# EAGLE board Mk4 Final a Panel score (EAGLE 9.0.1), part 18 of 24 (continued)
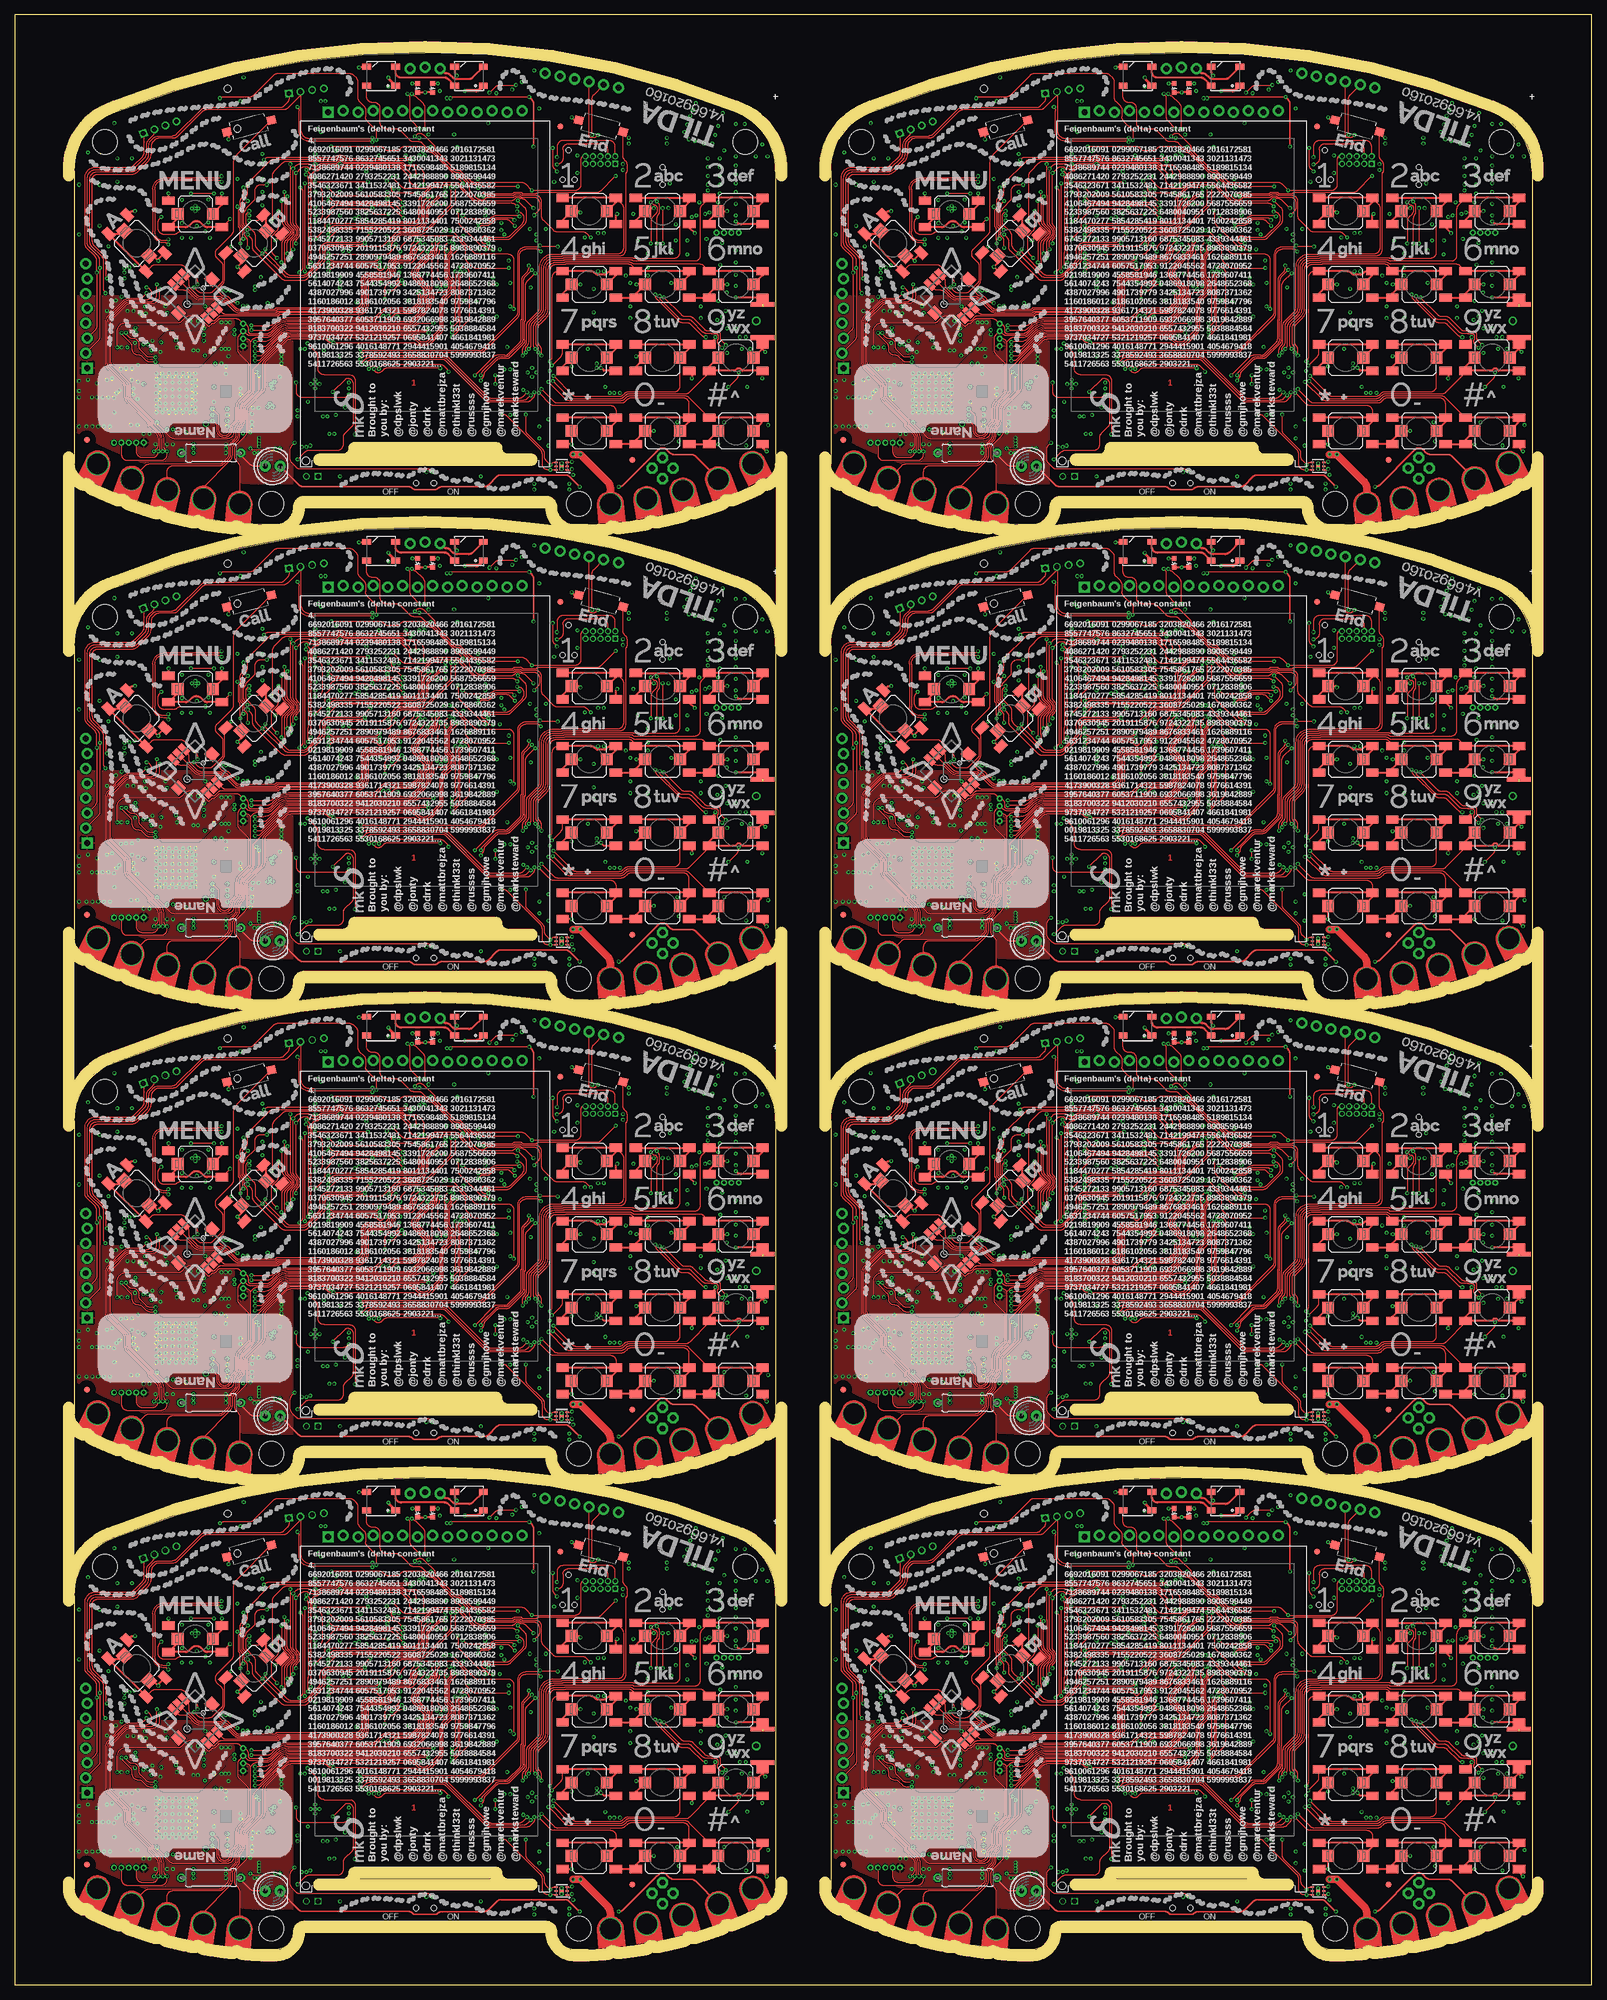
[diagram p0: board, top side]
## Tracks (layer width: path | path; a pad name or v marks a point on that pad's centre or on a via) (continued)
SIM_DET1
  Bottom 0.2: IC21.14 236.2,41 arc90 237.2,40 244.09,40 arc-45 244.79,39.71 245.71,38.79 arc-45 246,38.09 R111.2 246,34.41 arc45 246.29,33.71 247.65,32.35 arc45 248.35,32.06 J14.C8
SIM_DET2
  Bottom 0.2: IC39.14 107.2,122 arc90 108.2,121 115.09,121 arc-45 115.79,120.71 116.71,119.79 arc-45 117,119.09 R189.2 117,115.41 arc45 117.29,114.71 118.65,113.35 arc45 119.35,113.06 J24.C8
SIM_DET3
  Bottom 0.2: IC57.14 236.2,122 arc90 237.2,121 244.09,121 arc-45 244.79,120.71 245.71,119.79 arc-45 246,119.09 R267.2 246,115.41 arc45 246.29,114.71 247.65,113.35 arc45 248.35,113.06 J34.C8
SIM_DET4
  Bottom 0.2: IC75.14 107.2,203 arc90 108.2,202 115.09,202 arc-45 115.79,201.71 116.71,200.79 arc-45 117,200.09 R345.2 117,196.41 arc45 117.29,195.71 118.65,194.35 arc45 119.35,194.06 J44.C8
SIM_DET5
  Bottom 0.2: IC93.14 236.2,203 arc90 237.2,202 244.09,202 arc-45 244.79,201.71 245.71,200.79 arc-45 246,200.09 R423.2 246,196.41 arc45 246.29,195.71 247.65,194.35 arc45 248.35,194.06 J54.C8
SIM_DET6
  Bottom 0.2: IC111.14 107.2,284 arc90 108.2,283 115.09,283 arc-45 115.79,282.71 116.71,281.79 arc-45 117,281.09 R501.2 117,277.41 arc45 117.29,276.71 118.65,275.35 arc45 119.35,275.06 J64.C8
SIM_DET7
  Bottom 0.2: IC129.14 236.2,284 arc90 237.2,283 244.09,283 arc-45 244.79,282.71 245.71,281.79 arc-45 246,281.09 R579.2 246,277.41 arc45 246.29,276.71 247.65,275.35 arc45 248.35,275.06 J74.C8
SIM_DTR
  Bottom 0.2: R31.1 98.25,47.25 TP2.TP
SIM_DTR1
  Bottom 0.2: R113.1 227.25,47.25 TP21.TP
SIM_DTR2
  Bottom 0.2: R191.1 98.25,128.25 TP40.TP
SIM_DTR3
  Bottom 0.2: R269.1 227.25,128.25 TP59.TP
SIM_DTR4
  Bottom 0.2: R347.1 98.25,209.25 TP78.TP
SIM_DTR5
  Bottom 0.2: R425.1 227.25,209.25 TP97.TP
SIM_DTR6
  Bottom 0.2: R503.1 98.25,290.25 TP116.TP
SIM_DTR7
  Bottom 0.2: R581.1 227.25,290.25 TP135.TP
SIM_DTR_R
  Bottom 0.15: R31.2 R40.1 100.7,46.45 IC5.6
SIM_DTR_R1
  Bottom 0.15: R113.2 R122.1 229.7,46.45 IC21.6
SIM_DTR_R2
  Bottom 0.15: R191.2 R200.1 100.7,127.45 IC39.6
SIM_DTR_R3
  Bottom 0.15: R269.2 R278.1 229.7,127.45 IC57.6
SIM_DTR_R4
  Bottom 0.15: R347.2 R356.1 100.7,208.45 IC75.6
SIM_DTR_R5
  Bottom 0.15: R425.2 R434.1 229.7,208.45 IC93.6
SIM_DTR_R6
  Bottom 0.15: R503.2 R512.1 100.7,289.45 IC111.6
SIM_DTR_R7
  Bottom 0.15: R581.2 R590.1 229.7,289.45 IC129.6
SIM_NETLIGHT
  Bottom 0.15: IC1.108 78.56,60.8 arc45 78.8,60.9 79.22,60.9 79.32,61 81.67,61 arc-90 84.17,58.5 84.17,56.62 arc45 84.32,56.27 84.48,56.11 arc-45 84.62,55.76 84.62,55.5 arc45 84.92,54.79 93.91,45.8 arc-45 94.2,45.09 94.2,37.75 arc90 95.2,36.75 TP12.TP 97,37.25 R42.1
SIM_NETLIGHT1
  Bottom 0.15: IC20.108 207.56,60.8 arc45 207.8,60.9 208.22,60.9 208.32,61 210.68,61 arc-90 213.18,58.5 213.18,56.62 arc45 213.32,56.27 213.48,56.11 arc-45 213.62,55.76 213.62,55.5 arc45 213.92,54.79 222.91,45.8 arc-45 223.2,45.09 223.2,37.75 arc90 224.2,36.75 TP31.TP 226,37.25 R124.1
SIM_NETLIGHT2
  Bottom 0.15: IC38.108 78.56,141.8 arc45 78.8,141.9 79.22,141.9 79.32,142 81.67,142 arc-90 84.17,139.5 84.17,137.62 arc45 84.32,137.27 84.48,137.11 arc-45 84.62,136.76 84.62,136.5 arc45 84.92,135.79 93.91,126.8 arc-45 94.2,126.09 94.2,118.75 arc90 95.2,117.75 TP50.TP 97,118.25 R202.1
SIM_NETLIGHT3
  Bottom 0.15: IC56.108 207.56,141.8 arc45 207.8,141.9 208.22,141.9 208.32,142 210.68,142 arc-90 213.18,139.5 213.18,137.62 arc45 213.32,137.27 213.48,137.11 arc-45 213.62,136.76 213.62,136.5 arc45 213.92,135.79 222.91,126.8 arc-45 223.2,126.09 223.2,118.75 arc90 224.2,117.75 TP69.TP 226,118.25 R280.1
SIM_NETLIGHT4
  Bottom 0.15: IC74.108 78.56,222.8 arc45 78.8,222.9 79.22,222.9 79.32,223 81.67,223 arc-90 84.17,220.5 84.17,218.62 arc45 84.32,218.27 84.48,218.11 arc-45 84.62,217.76 84.62,217.5 arc45 84.92,216.79 93.91,207.8 arc-45 94.2,207.09 94.2,199.75 arc90 95.2,198.75 TP88.TP 97,199.25 R358.1
SIM_NETLIGHT5
  Bottom 0.15: IC92.108 207.56,222.8 arc45 207.8,222.9 208.22,222.9 208.32,223 210.68,223 arc-90 213.18,220.5 213.18,218.62 arc45 213.32,218.27 213.48,218.11 arc-45 213.62,217.76 213.62,217.5 arc45 213.92,216.79 222.91,207.8 arc-45 223.2,207.09 223.2,199.75 arc90 224.2,198.75 TP107.TP 226,199.25 R436.1
SIM_NETLIGHT6
  Bottom 0.15: IC110.108 78.56,303.8 arc45 78.8,303.9 79.22,303.9 79.32,304 81.67,304 arc-90 84.17,301.5 84.17,299.62 arc45 84.32,299.27 84.48,299.11 arc-45 84.62,298.76 84.62,298.5 arc45 84.92,297.79 93.91,288.8 arc-45 94.2,288.1 94.2,280.75 arc90 95.2,279.75 TP126.TP 97,280.25 R514.1
SIM_NETLIGHT7
  Bottom 0.15: IC128.108 207.56,303.8 arc45 207.8,303.9 208.22,303.9 208.32,304 210.68,304 arc-90 213.18,301.5 213.18,299.62 arc45 213.32,299.27 213.48,299.11 arc-45 213.62,298.76 213.62,298.5 arc45 213.92,297.79 222.91,288.8 arc-45 223.2,288.1 223.2,280.75 arc90 224.2,279.75 TP145.TP 226,280.25 R592.1
SIM_PWR_KEY
  Bottom 0.15: Q1.1 99.42,35 R30.1 TP13.TP 94.9,35 arc-90 93.9,36 93.9,44.97 arc45 93.61,45.68 84.62,54.67 arc-45 84.33,55.38 84.33,55.63 arc45 84.18,55.99 84.02,56.15 arc-45 83.88,56.5 83.88,58.45 arc90 81.62,60.7 79.45,60.7 79.38,60.63 arc-45 79.31,60.6 79.04,60.6 arc45 78.97,60.57 78.83,60.43 arc-45 78.76,60.4 IC1.109
SIM_PWR_KEY1
  Bottom 0.15: Q6.1 228.43,35 R112.1 TP32.TP 223.9,35 arc-90 222.9,36 222.9,44.97 arc45 222.61,45.68 213.62,54.67 arc-45 213.32,55.38 213.32,55.63 arc45 213.18,55.99 213.02,56.15 arc-45 212.88,56.5 212.88,58.45 arc90 210.62,60.7 208.45,60.7 208.38,60.63 arc-45 208.31,60.6 208.04,60.6 arc45 207.97,60.57 207.83,60.43 arc-45 207.76,60.4 IC20.109
SIM_PWR_KEY2
  Bottom 0.15: Q11.1 99.42,116 R190.1 TP51.TP 94.9,116 arc-90 93.9,117 93.9,125.97 arc45 93.61,126.68 84.62,135.67 arc-45 84.33,136.38 84.33,136.63 arc45 84.18,136.99 84.02,137.15 arc-45 83.88,137.5 83.88,139.45 arc90 81.62,141.7 79.45,141.7 79.38,141.63 arc-45 79.31,141.6 79.04,141.6 arc45 78.97,141.57 78.83,141.43 arc-45 78.76,141.4 IC38.109
SIM_PWR_KEY3
  Bottom 0.15: Q15.1 228.43,116 R268.1 TP70.TP 223.9,116 arc-90 222.9,117 222.9,125.97 arc45 222.61,126.68 213.62,135.67 arc-45 213.32,136.38 213.32,136.63 arc45 213.18,136.99 213.02,137.15 arc-45 212.88,137.5 212.88,139.45 arc90 210.62,141.7 208.45,141.7 208.38,141.63 arc-45 208.31,141.6 208.04,141.6 arc45 207.97,141.57 207.83,141.43 arc-45 207.76,141.4 IC56.109
SIM_PWR_KEY4
  Bottom 0.15: Q19.1 99.42,197 R346.1 TP89.TP 94.9,197 arc-90 93.9,198 93.9,206.97 arc45 93.61,207.68 84.62,216.67 arc-45 84.33,217.38 84.33,217.63 arc45 84.18,217.99 84.02,218.15 arc-45 83.88,218.5 83.88,220.45 arc90 81.62,222.7 79.45,222.7 79.38,222.63 arc-45 79.31,222.6 79.04,222.6 arc45 78.97,222.57 78.83,222.43 arc-45 78.76,222.4 IC74.109
SIM_PWR_KEY5
  Bottom 0.15: Q23.1 228.43,197 R424.1 TP108.TP 223.9,197 arc-90 222.9,198 222.9,206.97 arc45 222.61,207.68 213.62,216.67 arc-45 213.32,217.38 213.32,217.63 arc45 213.18,217.99 213.02,218.15 arc-45 212.88,218.5 212.88,220.45 arc90 210.62,222.7 208.45,222.7 208.38,222.63 arc-45 208.31,222.6 208.04,222.6 arc45 207.97,222.57 207.83,222.43 arc-45 207.76,222.4 IC92.109
SIM_PWR_KEY6
  Bottom 0.15: Q27.1 99.42,278 R502.1 TP127.TP 94.9,278 arc-90 93.9,279 93.9,287.97 arc45 93.61,288.68 84.62,297.67 arc-45 84.33,298.38 84.33,298.63 arc45 84.18,298.99 84.02,299.14 arc-45 83.88,299.5 83.88,301.45 arc90 81.62,303.7 79.45,303.7 79.38,303.63 arc-45 79.31,303.6 79.04,303.6 arc45 78.97,303.57 78.83,303.43 arc-45 78.76,303.4 IC110.109
SIM_PWR_KEY7
  Bottom 0.15: Q31.1 228.43,278 R580.1 TP146.TP 223.9,278 arc-90 222.9,279 222.9,287.97 arc45 222.61,288.68 213.62,297.67 arc-45 213.32,298.38 213.32,298.63 arc45 213.18,298.99 213.02,299.14 arc-45 212.88,299.5 212.88,301.45 arc90 210.62,303.7 208.45,303.7 208.38,303.63 arc-45 208.31,303.6 208.04,303.6 arc45 207.97,303.57 207.83,303.43 arc-45 207.76,303.4 IC128.109
SIM_RI  (via drill 0.3)
  Top 0.15: v76.4,58.8 76.81,58.39 arc45 77.51,58.1 80.77,58.1 arc45 81.16,58.26 arc-45 82.22,58.7 85.86,58.7 arc-45 v86.1,58.6
  Bottom 0.15: 98.72,48.5 98.97,48.25 R32.1 99,48.25 TP10.TP 92.16,49.25 86.39,55.01 arc-45 86.1,55.72 v86.1,58.6 | IC1.112 77.21,59.2 arc45 76.51,58.91 v76.4,58.8
SIM_RI1  (via drill 0.3)
  Top 0.15: v205.4,58.8 205.81,58.39 arc45 206.51,58.1 209.77,58.1 arc45 210.16,58.26 arc-45 211.22,58.7 214.86,58.7 arc-45 v215.1,58.6
  Bottom 0.15: 227.72,48.5 227.97,48.25 R115.1 228,48.25 TP29.TP 221.16,49.25 215.39,55.01 arc-45 215.1,55.72 v215.1,58.6 | IC20.112 206.21,59.2 arc45 205.51,58.91 v205.4,58.8
SIM_RI2  (via drill 0.3)
  Top 0.15: v76.4,139.8 76.81,139.39 arc45 77.51,139.1 80.77,139.1 arc45 81.16,139.26 arc-45 82.22,139.7 85.86,139.7 arc-45 v86.1,139.6
  Bottom 0.15: 98.72,129.5 98.97,129.25 R193.1 99,129.25 TP48.TP 92.16,130.25 86.39,136.01 arc-45 86.1,136.72 v86.1,139.6 | IC38.112 77.21,140.2 arc45 76.51,139.91 v76.4,139.8
SIM_RI3  (via drill 0.3)
  Top 0.15: v205.4,139.8 205.81,139.39 arc45 206.51,139.1 209.77,139.1 arc45 210.16,139.26 arc-45 211.22,139.7 214.86,139.7 arc-45 v215.1,139.6
  Bottom 0.15: 227.72,129.5 227.97,129.25 R271.1 228,129.25 TP67.TP 221.16,130.25 215.39,136.01 arc-45 215.1,136.72 v215.1,139.6 | IC56.112 206.21,140.2 arc45 205.51,139.91 v205.4,139.8
SIM_RI4  (via drill 0.3)
  Top 0.15: v76.4,220.8 76.81,220.39 arc45 77.51,220.1 80.77,220.1 arc45 81.16,220.26 arc-45 82.22,220.7 85.86,220.7 arc-45 v86.1,220.6
  Bottom 0.15: 98.72,210.5 98.97,210.25 R349.1 99,210.25 TP86.TP 92.16,211.25 86.39,217.01 arc-45 86.1,217.72 v86.1,220.6 | IC74.112 77.21,221.2 arc45 76.51,220.91 v76.4,220.8
SIM_RI5  (via drill 0.3)
  Top 0.15: v205.4,220.8 205.81,220.39 arc45 206.51,220.1 209.77,220.1 arc45 210.16,220.26 arc-45 211.22,220.7 214.86,220.7 arc-45 v215.1,220.6
  Bottom 0.15: 227.72,210.5 227.97,210.25 R427.1 228,210.25 TP105.TP 221.16,211.25 215.39,217.01 arc-45 215.1,217.72 v215.1,220.6 | IC92.112 206.21,221.2 arc45 205.51,220.91 v205.4,220.8
SIM_RI6  (via drill 0.3)
  Top 0.15: v76.4,301.8 76.81,301.39 arc45 77.51,301.1 80.77,301.1 arc45 81.16,301.26 arc-45 82.22,301.7 85.86,301.7 arc-45 v86.1,301.6
  Bottom 0.15: 98.72,291.5 98.97,291.25 R505.1 99,291.25 TP124.TP 92.16,292.25 86.39,298.01 arc-45 86.1,298.72 v86.1,301.6 | IC110.112 77.21,302.2 arc45 76.51,301.91 v76.4,301.8
SIM_RI7  (via drill 0.3)
  Top 0.15: v205.4,301.8 205.81,301.39 arc45 206.51,301.1 209.77,301.1 arc45 210.16,301.26 arc-45 211.22,301.7 214.86,301.7 arc-45 v215.1,301.6
  Bottom 0.15: 227.72,291.5 227.97,291.25 R583.1 228,291.25 TP143.TP 221.16,292.25 215.39,298.01 arc-45 215.1,298.72 v215.1,301.6 | IC128.112 206.21,302.2 arc45 205.51,301.91 v205.4,301.8
SIM_RI_R
  Bottom 0.15: IC5.7 101.2,47.55 R32.2
SIM_RI_R1
  Bottom 0.15: IC21.7 230.2,47.55 R115.2
SIM_RI_R2
  Bottom 0.15: IC39.7 101.2,128.55 R193.2
SIM_RI_R3
  Bottom 0.15: IC57.7 230.2,128.55 R271.2
SIM_RI_R4
  Bottom 0.15: IC75.7 101.2,209.55 R349.2
SIM_RI_R5
  Bottom 0.15: IC93.7 230.2,209.55 R427.2
SIM_RI_R6
  Bottom 0.15: IC111.7 101.2,290.55 R505.2
SIM_RI_R7
  Bottom 0.15: IC129.7 230.2,290.55 R583.2
SIM_RST  (via drill 0.3)
  Top 0.2: v109.25,45.25 109.25,45.06 arc45 109.47,44.53 113.21,40.79 arc45 113.91,40.5 114.59,40.5 arc-45 115.29,40.21 117.22,38.28 arc45 v117.9,38 | v110.5,60 v110.5,54
  Bottom 0.2: J1.C2 126,26.98 125.98,27 123.41,27 arc-45 122.71,27.29 arc-45 122.5,27.79 122.5,29.59 arc45 122.21,30.29 122.04,30.46 arc-45 121.75,31.16 121.75,32.25 arc90 121.25,32.75 120.96,32.75 arc-45 120.6,32.9 118.11,35.39 arc-45 117.9,35.9 | v109.25,45.25 109.25,45.94 arc-45 109.47,46.47 109.53,46.53 arc45 109.75,47.06 109.75,52.84 arc-45 110.04,53.54 v110.5,54 | R28.2 v110.5,60 | 117.9,35.9 v117.9,38 | IC10.4 117.9,35.9
SIM_RST1  (via drill 0.3)
  Top 0.2: v238.25,45.25 238.25,45.06 arc45 238.47,44.53 242.21,40.79 arc45 242.91,40.5 243.59,40.5 arc-45 244.29,40.21 246.22,38.28 arc45 v246.9,38 | v239.5,60 v239.5,54
  Bottom 0.2: J14.C2 255,26.98 254.98,27 252.41,27 arc-45 251.71,27.29 arc-45 251.5,27.79 251.5,29.59 arc45 251.21,30.29 251.04,30.46 arc-45 250.75,31.16 250.75,32.25 arc90 250.25,32.75 249.96,32.75 arc-45 249.6,32.9 247.11,35.39 arc-45 246.9,35.9 | v238.25,45.25 238.25,45.94 arc-45 238.47,46.47 238.53,46.53 arc45 238.75,47.06 238.75,52.84 arc-45 239.04,53.54 v239.5,54 | R110.2 v239.5,60 | 246.9,35.9 v246.9,38 | IC25.4 246.9,35.9
SIM_RST2  (via drill 0.3)
  Top 0.2: v109.25,126.25 109.25,126.06 arc45 109.47,125.53 113.21,121.79 arc45 113.91,121.5 114.59,121.5 arc-45 115.29,121.21 117.22,119.28 arc45 v117.9,119 | v110.5,141 v110.5,135
  Bottom 0.2: J24.C2 126,107.98 125.98,108 123.41,108 arc-45 122.71,108.29 arc-45 122.5,108.79 122.5,110.59 arc45 122.21,111.29 122.04,111.46 arc-45 121.75,112.16 121.75,113.25 arc90 121.25,113.75 120.96,113.75 arc-45 120.6,113.9 118.11,116.39 arc-45 117.9,116.9 | v109.25,126.25 109.25,126.94 arc-45 109.47,127.47 109.53,127.53 arc45 109.75,128.06 109.75,133.84 arc-45 110.04,134.54 v110.5,135 | R188.2 v110.5,141 | 117.9,116.9 v117.9,119 | IC43.4 117.9,116.9
SIM_RST3  (via drill 0.3)
  Top 0.2: v238.25,126.25 238.25,126.06 arc45 238.47,125.53 242.21,121.79 arc45 242.91,121.5 243.59,121.5 arc-45 244.29,121.21 246.22,119.28 arc45 v246.9,119 | v239.5,141 v239.5,135
  Bottom 0.2: J34.C2 255,107.98 254.98,108 252.41,108 arc-45 251.71,108.29 arc-45 251.5,108.79 251.5,110.59 arc45 251.21,111.29 251.04,111.46 arc-45 250.75,112.16 250.75,113.25 arc90 250.25,113.75 249.96,113.75 arc-45 249.6,113.9 247.11,116.39 arc-45 246.9,116.9 | v238.25,126.25 238.25,126.94 arc-45 238.47,127.47 238.53,127.53 arc45 238.75,128.06 238.75,133.84 arc-45 239.04,134.54 v239.5,135 | R266.2 v239.5,141 | 246.9,116.9 v246.9,119 | IC61.4 246.9,116.9
SIM_RST4  (via drill 0.3)
  Top 0.2: v109.25,207.25 109.25,207.06 arc45 109.47,206.53 113.21,202.79 arc45 113.91,202.5 114.59,202.5 arc-45 115.29,202.21 117.22,200.28 arc45 v117.9,200 | v110.5,222 v110.5,216
  Bottom 0.2: J44.C2 126,188.98 125.98,189 123.41,189 arc-45 122.71,189.29 arc-45 122.5,189.79 122.5,191.59 arc45 122.21,192.29 122.04,192.46 arc-45 121.75,193.16 121.75,194.25 arc90 121.25,194.75 120.96,194.75 arc-45 120.6,194.9 118.11,197.39 arc-45 117.9,197.9 | v109.25,207.25 109.25,207.94 arc-45 109.47,208.47 109.53,208.53 arc45 109.75,209.06 109.75,214.84 arc-45 110.04,215.54 v110.5,216 | R344.2 v110.5,222 | 117.9,197.9 v117.9,200 | IC79.4 117.9,197.9
SIM_RST5  (via drill 0.3)
  Top 0.2: v238.25,207.25 238.25,207.06 arc45 238.47,206.53 242.21,202.79 arc45 242.91,202.5 243.59,202.5 arc-45 244.29,202.21 246.22,200.28 arc45 v246.9,200 | v239.5,222 v239.5,216
  Bottom 0.2: J54.C2 255,188.98 254.98,189 252.41,189 arc-45 251.71,189.29 arc-45 251.5,189.79 251.5,191.59 arc45 251.21,192.29 251.04,192.46 arc-45 250.75,193.16 250.75,194.25 arc90 250.25,194.75 249.96,194.75 arc-45 249.6,194.9 247.11,197.39 arc-45 246.9,197.9 | v238.25,207.25 238.25,207.94 arc-45 238.47,208.47 238.53,208.53 arc45 238.75,209.06 238.75,214.84 arc-45 239.04,215.54 v239.5,216 | R422.2 v239.5,222 | 246.9,197.9 v246.9,200 | IC97.4 246.9,197.9
SIM_RST6  (via drill 0.3)
  Top 0.2: v109.25,288.25 109.25,288.06 arc45 109.47,287.53 113.21,283.79 arc45 113.91,283.5 114.59,283.5 arc-45 115.29,283.21 117.22,281.28 arc45 v117.9,281 | v110.5,303 v110.5,297
  Bottom 0.2: J64.C2 126,269.98 125.98,270 123.41,270 arc-45 122.71,270.29 arc-45 122.5,270.79 122.5,272.59 arc45 122.21,273.29 122.04,273.46 arc-45 121.75,274.16 121.75,275.25 arc90 121.25,275.75 120.96,275.75 arc-45 120.6,275.9 118.11,278.39 arc-45 117.9,278.9 | v109.25,288.25 109.25,288.94 arc-45 109.47,289.47 109.53,289.53 arc45 109.75,290.06 109.75,295.84 arc-45 110.04,296.54 v110.5,297 | R500.2 v110.5,303 | 117.9,278.9 v117.9,281 | IC115.4 117.9,278.9
SIM_RST7  (via drill 0.3)
  Top 0.2: v238.25,288.25 238.25,288.06 arc45 238.47,287.53 242.21,283.79 arc45 242.91,283.5 243.59,283.5 arc-45 244.29,283.21 246.22,281.28 arc45 v246.9,281 | v239.5,303 v239.5,297
  Bottom 0.2: J74.C2 255,269.98 254.98,270 252.41,270 arc-45 251.71,270.29 arc-45 251.5,270.79 251.5,272.59 arc45 251.21,273.29 251.04,273.46 arc-45 250.75,274.16 250.75,275.25 arc90 250.25,275.75 249.96,275.75 arc-45 249.6,275.9 247.11,278.39 arc-45 246.9,278.9 | v238.25,288.25 238.25,288.94 arc-45 238.47,289.47 238.53,289.53 arc45 238.75,290.06 238.75,295.84 arc-45 239.04,296.54 v239.5,297 | R578.2 v239.5,303 | 246.9,278.9 v246.9,281 | IC133.4 246.9,278.9
SIM_RST_R
  Bottom 0.2: IC5.17 R28.1 C48.2
SIM_RST_R1
  Bottom 0.2: IC21.17 R110.1 C155.2
SIM_RST_R2
  Bottom 0.2: IC39.17 R188.1 C263.2
SIM_RST_R3
  Bottom 0.2: IC57.17 R266.1 C371.2
SIM_RST_R4
  Bottom 0.2: IC75.17 R344.1 C479.2
SIM_RST_R5
  Bottom 0.2: IC93.17 R422.1 C587.2
SIM_RST_R6
  Bottom 0.2: IC111.17 R500.1 C695.2
SIM_RST_R7
  Bottom 0.2: IC129.17 R578.1 C803.2
SIM_RTS
  Bottom 0.2: TP5.TP R35.1
SIM_RTS1
  Bottom 0.2: TP24.TP R118.1
SIM_RTS2
  Bottom 0.2: TP43.TP R196.1
SIM_RTS3
  Bottom 0.2: TP62.TP R274.1
SIM_RTS4
  Bottom 0.2: TP81.TP R352.1
SIM_RTS5
  Bottom 0.2: TP100.TP R430.1
SIM_RTS6
  Bottom 0.2: TP119.TP R508.1
SIM_RTS7
  Bottom 0.2: TP138.TP R586.1
SIM_RTS_R
  Bottom 0.15: IC5.3 102.55,43.25 R35.2 R39.1
SIM_RTS_R1
  Bottom 0.15: IC21.3 231.55,43.25 R118.2 R121.1
SIM_RTS_R2
  Bottom 0.15: IC39.3 102.55,124.25 R196.2 R199.1
SIM_RTS_R3
  Bottom 0.15: IC57.3 231.55,124.25 R274.2 R277.1
SIM_RTS_R4
  Bottom 0.15: IC75.3 102.55,205.25 R352.2 R355.1
SIM_RTS_R5
  Bottom 0.15: IC93.3 231.55,205.25 R430.2 R433.1
SIM_RTS_R6
  Bottom 0.15: IC111.3 102.55,286.25 R508.2 R511.1
SIM_RTS_R7
  Bottom 0.15: IC129.3 231.55,286.25 R586.2 R589.1
SIM_RXD_R
  Bottom 0.15: IC5.2 101.71,42.05 arc45 101.01,41.76 R37.2 R38.1
SIM_RXD_R1
  Bottom 0.15: IC21.2 230.71,42.05 arc45 230.01,41.76 R120.2 R114.1
SIM_RXD_R2
  Bottom 0.15: IC39.2 101.71,123.05 arc45 101.01,122.76 R198.2 R192.1
SIM_RXD_R3
  Bottom 0.15: IC57.2 230.71,123.05 arc45 230.01,122.76 R276.2 R270.1
SIM_RXD_R4
  Bottom 0.15: IC75.2 101.71,204.05 arc45 101.01,203.76 R354.2 R348.1
SIM_RXD_R5
  Bottom 0.15: IC93.2 230.71,204.05 arc45 230.01,203.76 R432.2 R426.1
SIM_RXD_R6
  Bottom 0.15: IC111.2 101.71,285.05 arc45 101.01,284.76 R510.2 R504.1
SIM_RXD_R7
  Bottom 0.15: IC129.2 230.71,285.05 arc45 230.01,284.76 R588.2 R582.1
SIM_STATUS
  Bottom 0.15: R41.1 96.25,38.25 TP11.TP 94.79,39.71 arc-45 94.5,40.41 94.5,45.22 arc45 94.21,45.93 85.22,54.92 arc-45 84.92,55.62 84.92,55.88 arc45 84.78,56.24 84.62,56.39 arc-45 84.47,56.75 84.47,58.55 arc90 81.72,61.3 79.2,61.3 79.1,61.2 IC1.107
SIM_STATUS1
  Bottom 0.15: R123.1 225.25,38.25 TP30.TP 223.79,39.71 arc-45 223.5,40.41 223.5,45.22 arc45 223.21,45.93 214.22,54.92 arc-45 213.93,55.62 213.93,55.88 arc45 213.78,56.24 213.62,56.39 arc-45 213.47,56.75 213.47,58.55 arc90 210.72,61.3 208.2,61.3 208.1,61.2 IC20.107
SIM_STATUS2
  Bottom 0.15: R201.1 96.25,119.25 TP49.TP 94.79,120.71 arc-45 94.5,121.41 94.5,126.22 arc45 94.21,126.93 85.22,135.92 arc-45 84.92,136.62 84.92,136.88 arc45 84.78,137.24 84.62,137.39 arc-45 84.47,137.75 84.47,139.55 arc90 81.72,142.3 79.2,142.3 79.1,142.2 IC38.107
SIM_STATUS3
  Bottom 0.15: R279.1 225.25,119.25 TP68.TP 223.79,120.71 arc-45 223.5,121.41 223.5,126.22 arc45 223.21,126.93 214.22,135.92 arc-45 213.93,136.62 213.93,136.88 arc45 213.78,137.24 213.62,137.39 arc-45 213.47,137.75 213.47,139.55 arc90 210.72,142.3 208.2,142.3 208.1,142.2 IC56.107
SIM_STATUS4
  Bottom 0.15: R357.1 96.25,200.25 TP87.TP 94.79,201.71 arc-45 94.5,202.41 94.5,207.22 arc45 94.21,207.93 85.22,216.92 arc-45 84.92,217.62 84.92,217.88 arc45 84.78,218.24 84.62,218.39 arc-45 84.47,218.75 84.47,220.55 arc90 81.72,223.3 79.2,223.3 79.1,223.2 IC74.107
SIM_STATUS5
  Bottom 0.15: R435.1 225.25,200.25 TP106.TP 223.79,201.71 arc-45 223.5,202.41 223.5,207.22 arc45 223.21,207.93 214.22,216.92 arc-45 213.93,217.62 213.93,217.88 arc45 213.78,218.24 213.62,218.39 arc-45 213.47,218.75 213.47,220.55 arc90 210.72,223.3 208.2,223.3 208.1,223.2 IC92.107
SIM_STATUS6
  Bottom 0.15: R513.1 96.25,281.25 TP125.TP 94.79,282.71 arc-45 94.5,283.41 94.5,288.22 arc45 94.21,288.93 85.22,297.92 arc-45 84.92,298.62 84.92,298.88 arc45 84.78,299.24 84.62,299.39 arc-45 84.47,299.75 84.47,301.55 arc90 81.72,304.3 79.2,304.3 79.1,304.2 IC110.107
SIM_STATUS7
  Bottom 0.15: R591.1 225.25,281.25 TP144.TP 223.79,282.71 arc-45 223.5,283.41 223.5,288.22 arc45 223.21,288.93 214.22,297.92 arc-45 213.93,298.62 213.93,298.88 arc45 213.78,299.24 213.62,299.39 arc-45 213.47,299.75 213.47,301.55 arc90 210.72,304.3 208.2,304.3 208.1,304.2 IC128.107
SIM_STATUS_R
  Bottom 0.15: R41.2 106.05,38.25 IC5.42
SIM_STATUS_R1
  Bottom 0.15: R123.2 235.05,38.25 IC21.42
SIM_STATUS_R2
  Bottom 0.15: R201.2 106.05,119.25 IC39.42
SIM_STATUS_R3
  Bottom 0.15: R279.2 235.05,119.25 IC57.42
SIM_STATUS_R4
  Bottom 0.15: R357.2 106.05,200.25 IC75.42
SIM_STATUS_R5
  Bottom 0.15: R435.2 235.05,200.25 IC93.42
SIM_STATUS_R6
  Bottom 0.15: R513.2 106.05,281.25 IC111.42
SIM_STATUS_R7
  Bottom 0.15: R591.2 235.05,281.25 IC129.42
SIM_TXD_R
  Bottom 0.15: IC5.1 102.2,40.95 arc90 101.25,40 arc-90 R36.2
SIM_TXD_R1
  Bottom 0.15: IC21.1 231.2,40.95 arc90 230.25,40 arc-90 R119.2
SIM_TXD_R2
  Bottom 0.15: IC39.1 102.2,121.95 arc90 101.25,121 arc-90 R197.2
SIM_TXD_R3
  Bottom 0.15: IC57.1 231.2,121.95 arc90 230.25,121 arc-90 R275.2
SIM_TXD_R4
  Bottom 0.15: IC75.1 102.2,202.95 arc90 101.25,202 arc-90 R353.2
SIM_TXD_R5
  Bottom 0.15: IC93.1 231.2,202.95 arc90 230.25,202 arc-90 R431.2
SIM_TXD_R6
  Bottom 0.15: IC111.1 102.2,283.95 arc90 101.25,283 arc-90 R509.2
SIM_TXD_R7
  Bottom 0.15: IC129.1 231.2,283.95 arc90 230.25,283 arc-90 R587.2
SIM_VBUS
  Bottom 0.25: IC5.24 119.35,50.85 arc90 120,51.5 120,55.49 JP9.4
SIM_VBUS1
  Bottom 0.25: IC21.24 248.35,50.85 arc90 249,51.5 249,55.49 JP14.4
SIM_VBUS2
  Bottom 0.25: IC39.24 119.35,131.85 arc90 120,132.5 120,136.49 JP23.4
SIM_VBUS3
  Bottom 0.25: IC57.24 248.35,131.85 arc90 249,132.5 249,136.49 JP32.4
SIM_VBUS4
  Bottom 0.25: IC75.24 119.35,212.85 arc90 120,213.5 120,217.49 JP41.4
SIM_VBUS5
  Bottom 0.25: IC93.24 248.35,212.85 arc90 249,213.5 249,217.49 JP50.4
SIM_VBUS6
  Bottom 0.25: IC111.24 119.35,293.85 arc90 120,294.5 120,298.49 JP59.4
SIM_VBUS7
  Bottom 0.25: IC129.24 248.35,293.85 arc90 249,294.5 249,298.49 JP68.4
SIM_VDD
  Bottom 0.3: C51.2 arc-45 125.5,20.85 125.5,22.84 arc-45 125.79,23.54 126.4,24.15 arc-45 127.1,24.44 J1.C1 128.11,25.2 arc-45 128.4,25.9 128.46,25.96 arc45 128.75,26.66 128.75,27.25 arc90 127.75,28.25 124,28.25 arc-90 123,29.25 123,30.09 arc45 122.71,30.79 122.54,30.96 arc-45 122.25,31.66 122.25,32.75 arc90 121.25,33.75 120.91,33.75 arc-45 120.21,34.04 119.54,34.71 arc-45 119.25,35.41 119.25,36.5 118.85,36.9 IC10.5 118.58,38.59 arc45 118.28,39.29 117.37,40.21 arc45 116.66,40.5 113.91,40.5 arc-45 113.21,40.79 111.79,42.21 arc-45 111.5,42.91 111.5,44.94 arc45 111.28,45.47 110.47,46.28 arc-45 110.25,46.81 110.25,52.34 arc-45 110.54,53.04 111.31,53.81 arc45 111.6,54.51 IC5.18
SIM_VDD1
  Bottom 0.3: C158.2 arc-45 254.5,20.85 254.5,22.84 arc-45 254.79,23.54 255.4,24.15 arc-45 256.1,24.44 J14.C1 257.11,25.2 arc-45 257.4,25.9 257.46,25.96 arc45 257.75,26.66 257.75,27.25 arc90 256.75,28.25 253,28.25 arc-90 252,29.25 252,30.09 arc45 251.71,30.79 251.54,30.96 arc-45 251.25,31.66 251.25,32.75 arc90 250.25,33.75 249.91,33.75 arc-45 249.21,34.04 248.54,34.71 arc-45 248.25,35.41 248.25,36.5 247.85,36.9 IC25.5 247.57,38.59 arc45 247.28,39.29 246.37,40.21 arc45 245.66,40.5 242.91,40.5 arc-45 242.21,40.79 240.79,42.21 arc-45 240.5,42.91 240.5,44.94 arc45 240.28,45.47 239.47,46.28 arc-45 239.25,46.81 239.25,52.34 arc-45 239.54,53.04 240.31,53.81 arc45 240.6,54.51 IC21.18
SIM_VDD2
  Bottom 0.3: C266.2 arc-45 125.5,101.85 125.5,103.84 arc-45 125.79,104.54 126.4,105.15 arc-45 127.1,105.44 J24.C1 128.11,106.2 arc-45 128.4,106.9 128.46,106.96 arc45 128.75,107.66 128.75,108.25 arc90 127.75,109.25 124,109.25 arc-90 123,110.25 123,111.09 arc45 122.71,111.79 122.54,111.96 arc-45 122.25,112.66 122.25,113.75 arc90 121.25,114.75 120.91,114.75 arc-45 120.21,115.04 119.54,115.71 arc-45 119.25,116.41 119.25,117.5 118.85,117.9 IC43.5 118.58,119.59 arc45 118.28,120.29 117.37,121.21 arc45 116.66,121.5 113.91,121.5 arc-45 113.21,121.79 111.79,123.21 arc-45 111.5,123.91 111.5,125.94 arc45 111.28,126.47 110.47,127.28 arc-45 110.25,127.81 110.25,133.34 arc-45 110.54,134.04 111.31,134.81 arc45 111.6,135.51 IC39.18
SIM_VDD3
  Bottom 0.3: C374.2 arc-45 254.5,101.85 254.5,103.84 arc-45 254.79,104.54 255.4,105.15 arc-45 256.1,105.44 J34.C1 257.11,106.2 arc-45 257.4,106.9 257.46,106.96 arc45 257.75,107.66 257.75,108.25 arc90 256.75,109.25 253,109.25 arc-90 252,110.25 252,111.09 arc45 251.71,111.79 251.54,111.96 arc-45 251.25,112.66 251.25,113.75 arc90 250.25,114.75 249.91,114.75 arc-45 249.21,115.04 248.54,115.71 arc-45 248.25,116.41 248.25,117.5 247.85,117.9 IC61.5 247.57,119.59 arc45 247.28,120.29 246.37,121.21 arc45 245.66,121.5 242.91,121.5 arc-45 242.21,121.79 240.79,123.21 arc-45 240.5,123.91 240.5,125.94 arc45 240.28,126.47 239.47,127.28 arc-45 239.25,127.81 239.25,133.34 arc-45 239.54,134.04 240.31,134.81 arc45 240.6,135.51 IC57.18
SIM_VDD4